# Altium PCB PCB_3U_DAC.PCBDOC (part 8 of 9)
Units mm, origin at the board's own origin, x right, y up, seen from the top; angles counter-clockwise.
Board outline 186.91 x 200.1 mm, 4 copper layers (TopLayer, Internal Plane 2, Signal Layer 1, BottomLayer), stack 1.563 mm thick; 822 components, 563 nets, 2611 pads, 820 vias.
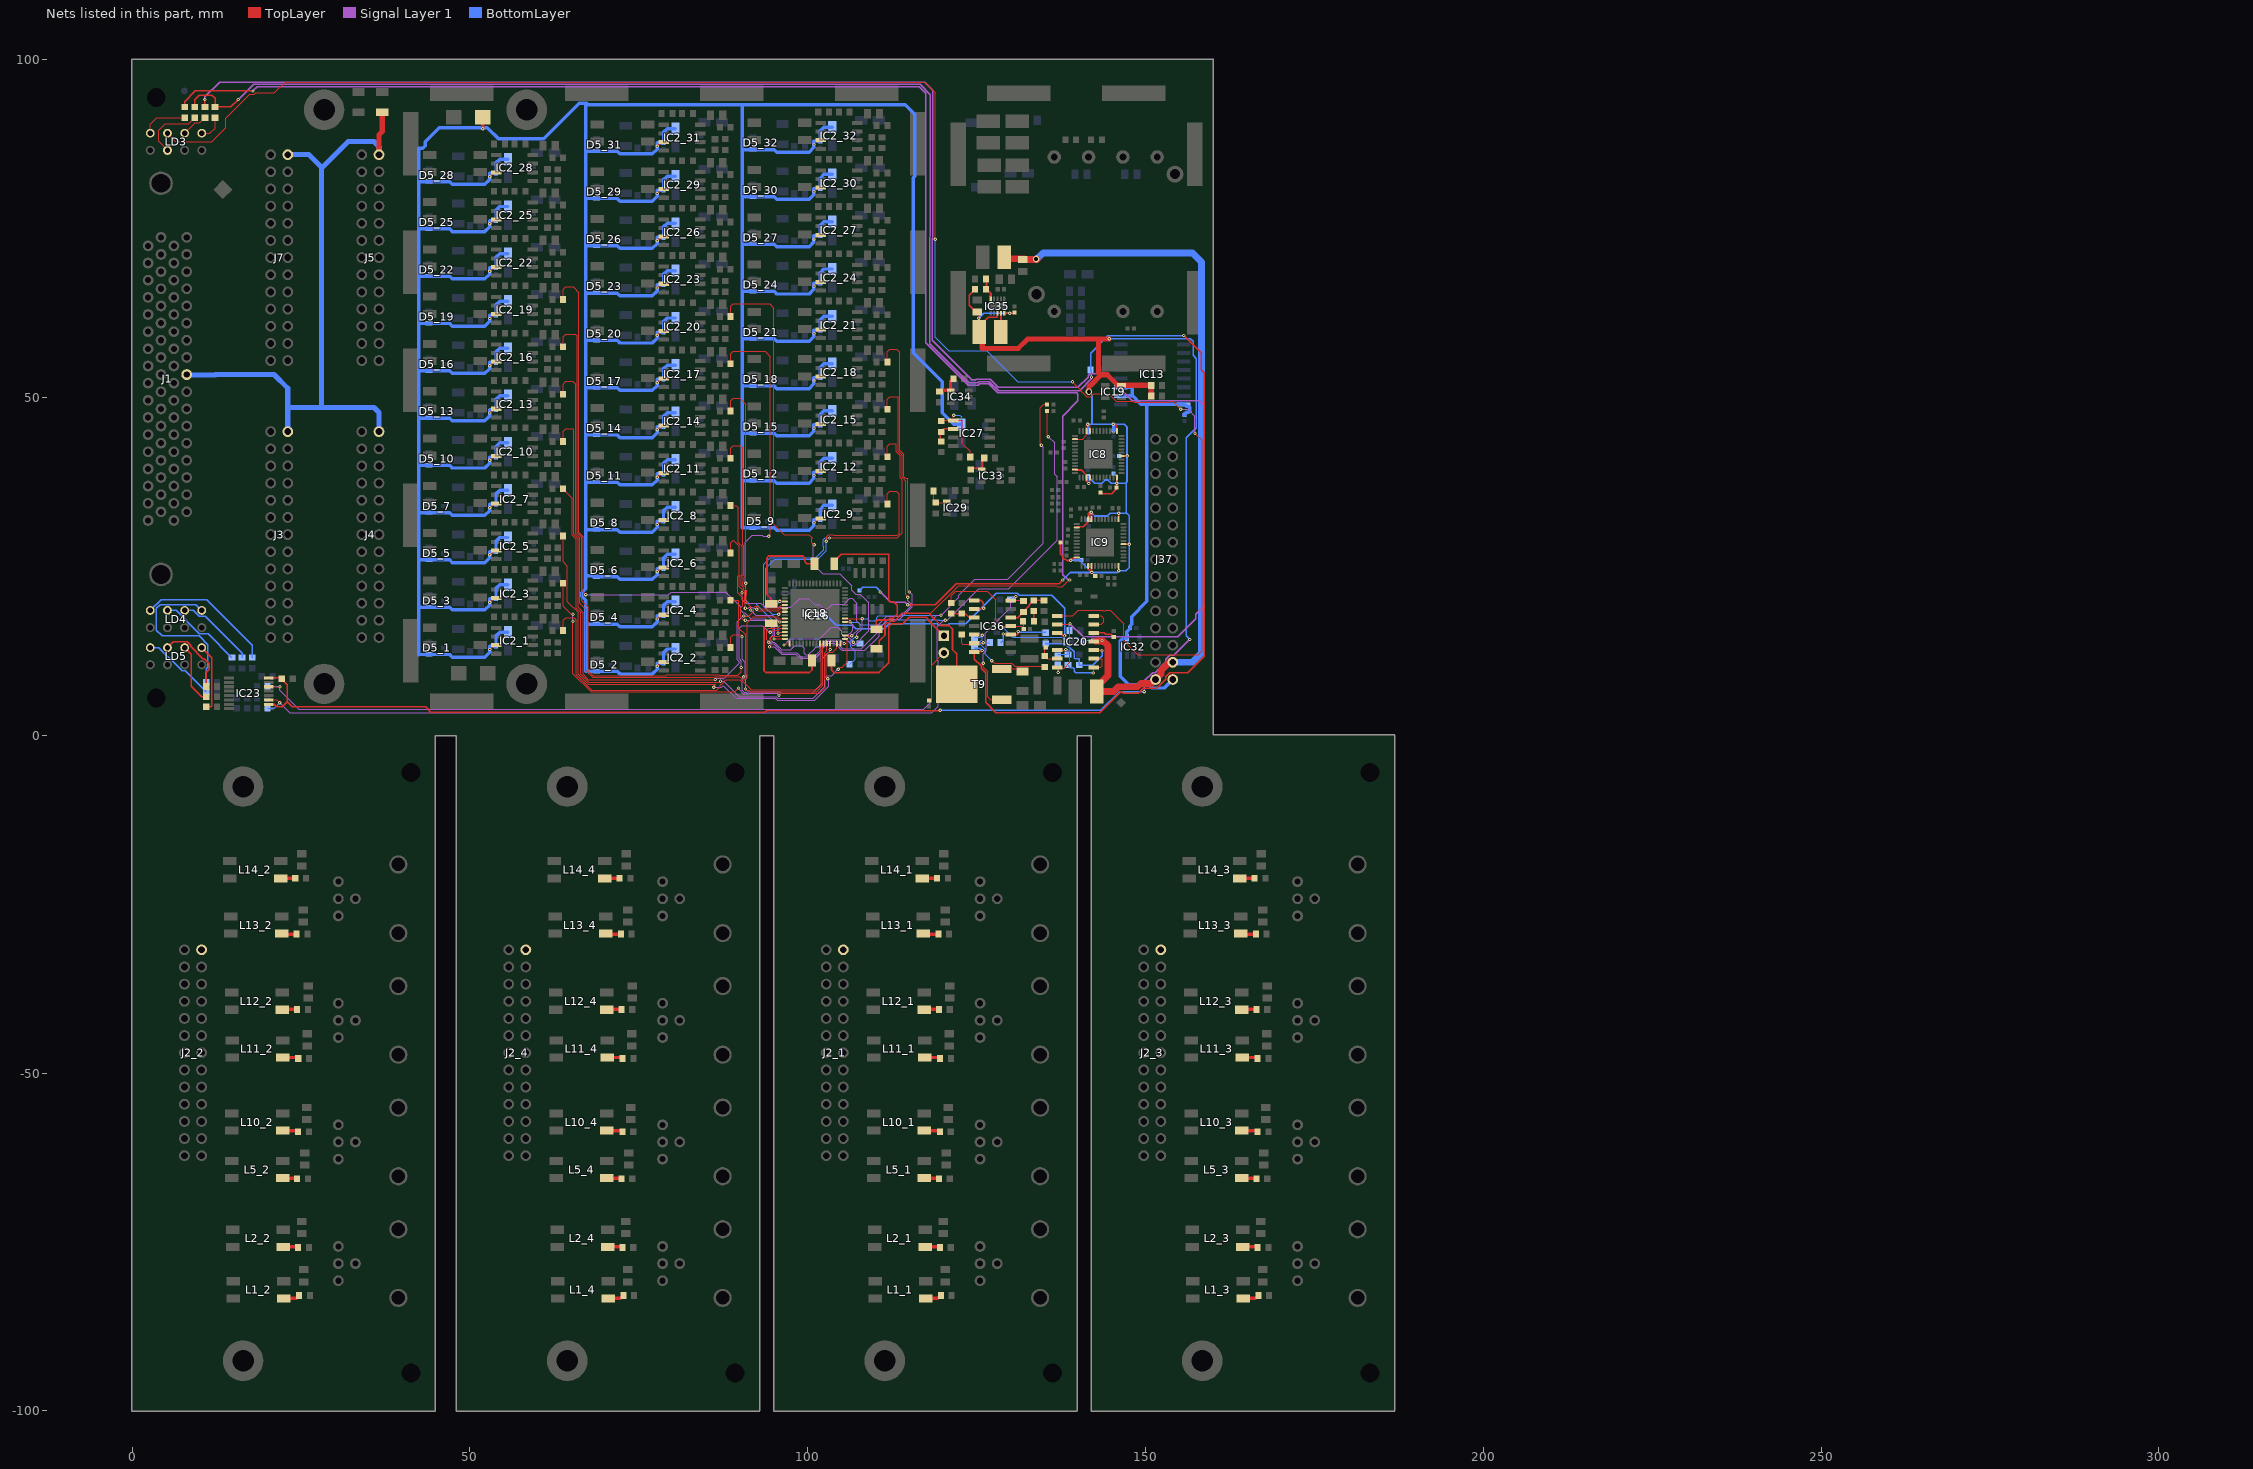
[diagram p10: the nets of this part, all layers, seen from the top]

## Via types
v1: diameter 0.5, hole 0.2, TopLayer to BottomLayer, tented both sides, 685 vias
v2: diameter 0.6, hole 0.3, TopLayer to BottomLayer, tented both sides, 105 vias
v3: diameter 1, hole 0.5, TopLayer to BottomLayer, tented both sides, 21 vias
v4: diameter 1, hole 0.6, TopLayer to BottomLayer, tented both sides, 9 vias

## Nets (pads, with @x,y where several pads share a name; then routed paths per layer and width w, separated by ;. In a path a pad name is that pad's centre, name@x,y a point inside that pad or via, vN(x,y) a via of type N, cw(c..) or ccw(c..) an arc to the next point about the centre after c; other vN are vias at no path point) (continued)
NetIC20_1: IC20.1 IC20.2 R84.2 | length 8.8
  TopLayer w0.152: v1(142.24,9.222) 142.335,9.317 IC20.1@142.335,10.062 143.343,10.062 143.563,10.281 143.563,11.281 143.512,11.332 IC20.2@142.335,11.332
  BottomLayer w0.203: R84.2@138.528,10.373 138.876,10.025 139.238,10.025 139.416,9.846 139.416,9.484 139.679,9.222 v1(142.24,9.222)
NetIC20_3: IC20.3 R5.2 R76.1 | length 13.6
  TopLayer w0.203: IC20.3@142.335,12.602 143.492,12.602 v1(143.563,12.531)
  BottomLayer w0.203: R5.2@135.36,13.569 137.741,13.569 137.948,13.362 138.345,13.362 138.445,13.462 ; 138.446,13.461 138.446,13.246 138.58,13.112 138.662,13.112 139.45,12.324 139.45,11.429 139.584,11.295 140.179,11.295 R76.1@140.179,10.373 142.199,10.373 143.563,11.737 v1(143.563,12.531)
  BottomLayer w0.254: R5.2@135.226,13.569 R5.2@135.36,13.569
NetIC20_5: IC20.5 R10.1 | length 3.2
  TopLayer w0.203: IC20.5@142.335,15.142 143.91,15.142 144.09,14.962 144.842,14.962 R10.1@145.288,14.516
NetIC20_6: IC20.6 IC20.7 | length 3.8
  TopLayer w0.152: IC20.6@142.335,16.412 143.443,16.412 143.813,16.781 143.813,17.281 143.412,17.682 IC20.7@142.335,17.682
NetIC20_8: IC20.8 LD3.4 | length 260.8
  TopLayer w0.152: LD3.4@5.218,89.126 6.463,87.881 11.782,87.881 13.814,89.913 13.814,91.31 17.424,94.921 18.065,94.921 18.264,95.12 21.053,95.12 22.63,96.698 117.302,96.698 118.872,95.128 v1(118.872,73.406) ; IC20.8@136.935,17.682 139.213,17.682 140.063,18.531 143.61,18.531 143.674,18.467 144.049,18.467 144.113,18.531 144.759,18.531 146.783,16.507 146.783,13.967 148.815,11.935 157.806,11.935 158.365,12.494 158.365,43.655 v1(157.316,44.704) ; v1(139.192,52.324) 139.192,52.27 141.317,50.145 141.9,50.145 142.312,50.557 144.641,50.557 144.903,50.295 144.903,50.2 145.696,49.407 147.673,49.407 147.738,49.472 148.113,49.472 148.317,49.268 153.531,49.268 153.67,49.407 154.047,49.407 v1(155.194,48.26)
  Signal Layer 1 w0.152: v1(155.194,48.26) 156.3,48.26 157.316,47.244 v1(157.316,44.704)
  BottomLayer w0.152: v1(118.872,73.406) 118.872,58.928 120.904,56.896 126.492,56.896 131.064,52.324 v1(139.192,52.324)
NetIC20_9: IC20.9 IC20.14 R81.2 R83.1 R87.2 | length 259
  TopLayer w0.152: IC20.9@136.935,16.412 138.693,16.412 v1(138.813,16.531) 138.813,10.781 137.966,9.934 137.062,9.934 v1(137.062,9.281)
  TopLayer w0.203: R83.1@10.763,93.006 10.763,94.101 v1(10.766,94.104)
  Signal Layer 1 w0.203: v1(10.766,94.104) 10.766,94.485 12.953,96.672 117.328,96.672 118.5,95.5 118.5,73.711 118.393,73.604 118.393,58.471 124.256,52.609 124.859,52.609 124.945,52.694 127.038,52.694 128.232,51.5 140,51.5 141.521,53.021 141.521,53.198 141.823,53.5 144,53.5 148,49.5 157.951,49.5 158.67,48.781 158.67,19.123 157.451,17.904 157.451,17.261 154.741,14.551 140.792,14.551 v1(138.813,16.531)
  BottomLayer w0.152: R87.2@137.004,10.373 137.062,10.314 v1(137.062,9.281) ; R81.2@138.744,15.491 138.744,16.462 v1(138.813,16.531)
NetIC20_12: IC20.12 R84.1 R87.1 | length 3.8
  TopLayer w0.152: IC20.12@136.935,12.602 138.078,12.602 v1(138.176,12.7)
  BottomLayer w0.152: R87.1@137.004,11.973 R84.1@138.528,11.973 138.528,12.566 138.394,12.7 v1(138.176,12.7)
NetIC20_13: IC20.13 R72.1 R77.2 | length 3.3
  TopLayer w0.127: R72.1@135.226,12.989 135.099,12.862 R77.2@135.099,11.719 135.486,11.332 IC20.13@136.935,11.332
NetIC27_2: IC27.2 R150.1 R153.2 | length 3.6
  TopLayer w0.2: R153.2@119.732,43.431 119.605,43.558 119.605,44.828 120.118,45.341 IC27.2@121.563,45.341
NetIC29_4: IC29.4 R156.1 R158.2 | length 3.6
  TopLayer w0.127: R158.2@118.638,36.171 118.638,34.742 R156.1@118.933,34.447 120.433,34.447 IC29.4@120.583,34.597
NetIC33_4: IC33.4 R159.1 R161.2 | length 3.3
  TopLayer w0.2: R159.1@124.177,39.494 125.828,39.494 125.828,40.751 R161.2@126.127,41.051
NetIC34_4: IC34.4 R69.1 R70.2 | length 3.2
  TopLayer w0.508: R69.1@119.732,51.051 121.002,51.051 121.129,51.178 121.129,52.339 R70.2@121.568,52.778
NetIC35_5: IC35.5 R162.1 R164.2 | length 3
  TopLayer w0.305: R164.2@126.463,67.307 126.463,66.037 127.087,65.412 IC35.5@127.087,64.581
NetIC35_9: IC35.9 L16.1 | length 1.9
  TopLayer w0.33: IC35.9@128.588,62.481 128.588,60.61 L16.1@128.622,60.576
NetIC36_3: IC36.3 R5.1 R9.2 | length 8
  TopLayer w0.203: v1(128.93,14.986) IC36.3@129.982,14.986 ; IC36.3@130.08,14.888 130.939,14.888 131.162,15.11 v1(131.162,15.364)
  BottomLayer w0.203: R9.2@128.562,13.716 128.562,13.727 128.93,14.095 v1(128.93,14.986) ; v1(131.162,15.364) 131.259,15.267 R5.1@135.255,15.267
NetIC36_5: IC36.5 R55.2 R62.2 R65.1 | length 6.1
  TopLayer w0.203: IC36.5@130.08,17.428 131.104,17.428 R62.2@131.924,18.247 132.813,19.136 132.813,19.339 R55.2@133.448,19.974 R65.1@134.972,19.974
NetIC36_7: IC36.7 R54.1 R62.1 T9.1 | length 22.7
  TopLayer w0.127: v1(125.955,10.665) 125.955,10.062 126.628,9.389 126.628,5.718 127.098,5.248 T9.1@128.699,5.248 ; v1(130.812,20.531) 130.813,20.281 130.499,19.968 131.803,19.968 R62.1@131.924,19.847
  Signal Layer 1 w0.127: v1(125.955,10.665) 125.955,12.064 126.424,12.534 126.424,13.898 126.253,14.07 126.253,15.132 130.083,18.962 130.083,19.802 v1(130.812,20.531)
  BottomLayer w0.127: R54.1@130.019,20.101 130.449,20.531 v1(130.812,20.531)
NetIC36_10: IC36.10 R165.1 R168.2 | length 3.7
  TopLayer w0.254: R165.1@121.256,17.993 R168.2@122.78,17.993 123.351,17.993 123.916,17.428 IC36.10@124.68,17.428
NetIC36_12: IC36.12 R77.1 R78.1 | length 15.3
  TopLayer w0.127: IC36.12@124.68,14.888 125.706,14.888 v1(125.813,14.781) ; v1(127.225,11.046) 127.647,10.624 130.203,10.624 130.613,10.214 135.099,10.214 R77.1@135.099,10.119
  BottomLayer w0.127: R78.1@124.685,14.513 125.545,14.513 v1(125.813,14.781) 125.813,14.167 125.544,13.898 125.544,13.437 126.253,12.728 126.253,12.018 v1(127.225,11.046)
NetIC36_13: IC36.13 R9.1 R85.2 | length 5.6
  TopLayer w0.127: R85.2@122.78,14.945 122.78,13.624 122.907,13.497 124.559,13.497 IC36.13@124.68,13.618 125.886,13.618 v1(125.984,13.716)
  BottomLayer w0.127: v1(125.984,13.716) R9.1@126.962,13.716
NetIC36_14: IC36.14 R71.2 R75.1 R78.2 R79.1 | length 293.3
  TopLayer w0.203: R79.1@9.263,93.006 9.263,94.048 9.957,94.742 11.811,94.742 12.263,94.29 R75.1@12.263,93.006 14.621,93.006 v1(15.719,94.104) ; v1(125.813,12.545) 125.615,12.348 IC36.14@124.68,12.348 124.68,11.263 125.662,10.28 125.662,9.941 126.336,9.268 126.336,4.877 127.86,3.353 143.194,3.353 146.307,6.466 146.496,6.466 146.722,6.24 148.928,6.24 149.632,6.945 151.641,6.945 153.004,8.308 153.004,8.677 153.607,9.28 156.26,9.28 158.67,11.69 158.67,53.642 158.213,54.099 158.213,56.639 v1(155.673,59.179)
  Signal Layer 1 w0.203: v1(15.719,94.104) 17.957,96.342 116.658,96.342 118.17,94.83 118.17,73.848 118.063,73.741 118.063,57.97 123.863,52.17 125.137,52.17 125.331,52.364 126.901,52.364 128.265,51 140.263,51 142,52.736 v1(142,53)
  BottomLayer w0.203: R78.2@124.685,12.913 125.445,12.913 v1(125.813,12.545) ; v1(142,53) 142,53.921 R71.2@141.859,54.061 141.859,56.584 144.425,59.15 155.673,59.15 v1(155.673,59.179)
NetL1_1_1: L1_1.1 R15_1.2 | length 2.4
  TopLayer w0.508: L1_1.1@117.468,-83.363 119.268,-83.363 R15_1.2@119.7,-82.931
NetL1_2_1: L1_2.1 R15_2.2 | length 2.4
  TopLayer w0.508: L1_2.1@22.468,-83.363 24.268,-83.363 R15_2.2@24.7,-82.931
NetL1_3_1: L1_3.1 R15_3.2 | length 2.4
  TopLayer w0.508: L1_3.1@164.468,-83.363 166.268,-83.363 R15_3.2@166.7,-82.931
NetL1_4_1: L1_4.1 R15_4.2 | length 2.4
  TopLayer w0.508: L1_4.1@70.468,-83.363 72.268,-83.363 R15_4.2@72.7,-82.931
NetL2_1_1: L2_1.1 R26_1.2 | length 2.2
  TopLayer w0.508: L2_1.1@117.392,-75.743 119.497,-75.743 R26_1.2@119.573,-75.819
NetL2_2_1: L2_2.1 R26_2.2 | length 2.2
  TopLayer w0.508: L2_2.1@22.392,-75.743 24.497,-75.743 R26_2.2@24.573,-75.819
NetL2_3_1: L2_3.1 R26_3.2 | length 2.2
  TopLayer w0.508: L2_3.1@164.392,-75.743 166.497,-75.743 R26_3.2@166.573,-75.819
NetL2_4_1: L2_4.1 R26_4.2 | length 2.2
  TopLayer w0.508: L2_4.1@70.392,-75.743 72.497,-75.743 R26_4.2@72.573,-75.819
NetL5_1_1: L5_1.1 R27_1.2 | length 2.2
  TopLayer w0.508: L5_1.1@117.265,-65.557 119.344,-65.557 R27_1.2@119.42,-65.634
NetL5_2_1: L5_2.1 R27_2.2 | length 2.2
  TopLayer w0.508: L5_2.1@22.265,-65.557 24.344,-65.557 R27_2.2@24.42,-65.634
NetL5_3_1: L5_3.1 R27_3.2 | length 2.2
  TopLayer w0.508: L5_3.1@164.265,-65.557 166.344,-65.557 R27_3.2@166.42,-65.634
NetL5_4_1: L5_4.1 R27_4.2 | length 2.2
  TopLayer w0.508: L5_4.1@70.265,-65.558 72.344,-65.558 R27_4.2@72.42,-65.634
NetL10_1_1: L10_1.1 R28_1.2 | length 2.4
  TopLayer w0.508: L10_1.1@117.265,-58.522 119.395,-58.522 R28_1.2@119.573,-58.699
NetL10_2_1: L10_2.1 R28_2.2 | length 2.4
  TopLayer w0.508: L10_2.1@22.265,-58.522 24.395,-58.522 R28_2.2@24.573,-58.699
NetL10_3_1: L10_3.1 R28_3.2 | length 2.4
  TopLayer w0.508: L10_3.1@164.265,-58.522 166.395,-58.522 R28_3.2@166.573,-58.699
NetL10_4_1: L10_4.1 R28_4.2 | length 2.4
  TopLayer w0.508: L10_4.1@70.265,-58.522 72.395,-58.522 R28_4.2@72.573,-58.7
NetL11_1_1: L11_1.1 R29_1.2 | length 2.3
  TopLayer w0.508: L11_1.1@117.296,-47.705 119.426,-47.705 R29_1.2@119.578,-47.858
NetL11_2_1: L11_2.1 R29_2.2 | length 2.3
  TopLayer w0.508: L11_2.1@22.296,-47.705 24.426,-47.705 R29_2.2@24.578,-47.858
NetL11_3_1: L11_3.1 R29_3.2 | length 2.3
  TopLayer w0.508: L11_3.1@164.296,-47.705 166.426,-47.705 R29_3.2@166.578,-47.858
NetL11_4_1: L11_4.1 R29_4.2 | length 2.3
  TopLayer w0.508: L11_4.1@70.296,-47.705 72.426,-47.705 R29_4.2@72.578,-47.858
NetL12_1_1: L12_1.1 R30_1.2 | length 2.2
  TopLayer w0.508: L12_1.1@117.214,-40.635 117.265,-40.584 R30_1.2@119.42,-40.584
NetL12_2_1: L12_2.1 R30_2.2 | length 2.2
  TopLayer w0.508: L12_2.1@22.214,-40.635 22.265,-40.584 R30_2.2@24.42,-40.584
NetL12_3_1: L12_3.1 R30_3.2 | length 2.2
  TopLayer w0.508: L12_3.1@164.214,-40.635 164.265,-40.584 R30_3.2@166.42,-40.584
NetL12_4_1: L12_4.1 R30_4.2 | length 2.2
  TopLayer w0.508: L12_4.1@70.214,-40.635 70.265,-40.585 R30_4.2@72.42,-40.585
NetL13_1_1: L13_1.1 R31_1.2 | length 2.3
  TopLayer w0.508: L13_1.1@117.102,-29.361 117.178,-29.437 R31_1.2@119.334,-29.437
NetL13_2_1: L13_2.1 R31_2.2 | length 2.3
  TopLayer w0.508: L13_2.1@22.102,-29.361 22.178,-29.437 R31_2.2@24.334,-29.437
NetL13_3_1: L13_3.1 R31_3.2 | length 2.3
  TopLayer w0.508: L13_3.1@164.102,-29.361 164.178,-29.437 R31_3.2@166.334,-29.437
NetL13_4_1: L13_4.1 R31_4.2 | length 2.3
  TopLayer w0.508: L13_4.1@70.102,-29.361 70.178,-29.437 R31_4.2@72.334,-29.437
NetL14_1_1: L14_1.1 R32_1.2 | length 2.2
  TopLayer w0.508: L14_1.1@116.975,-21.182 R32_1.2@119.13,-21.182
NetL14_2_1: L14_2.1 R32_2.2 | length 2.2
  TopLayer w0.508: L14_2.1@21.975,-21.182 R32_2.2@24.13,-21.182
NetL14_3_1: L14_3.1 R32_3.2 | length 2.2
  TopLayer w0.508: L14_3.1@163.975,-21.182 R32_3.2@166.13,-21.182
NetL14_4_1: L14_4.1 R32_4.2 | length 2.2
  TopLayer w0.508: L14_4.1@69.975,-21.182 R32_4.2@72.13,-21.182
NetLD3_2: LD3.2 R74.1 | length 6.8
  TopLayer w0.152: LD3.2@2.678,89.126 2.678,90.461 3.623,91.406 R74.1@7.763,91.406
NetLD3_3: LD3.3 R79.2 | length 9.6
  TopLayer w0.152: LD3.3@5.218,86.586 3.908,87.896 3.908,89.532 4.872,90.496 8.353,90.496 R79.2@9.263,91.406
NetLD3_6: LD3.6 R83.2 | length 3.9
  TopLayer w0.152: LD3.6@7.758,89.126 9.306,90.675 10.032,90.675 R83.2@10.763,91.406
NetLD3_8: LD3.8 R75.2 | length 3.8
  TopLayer w0.152: LD3.8@10.298,89.126 11.503,89.126 12.263,89.886 R75.2@12.263,91.406
NetLD4_2: LD4.2 R113.2 | length 20.3
  BottomLayer w0.203: LD4.2@2.678,18.476 4.264,20.063 11.02,20.063 17.763,13.32 R113.2@17.763,11.506
NetLD4_4: LD4.4 R114.2 | length 12.4
  BottomLayer w0.203: LD4.4@5.218,18.476 6.495,18.476 9.394,15.578 9.394,15.562 9.923,15.033 11.236,15.033 R114.2@14.763,11.506
NetLD4_6: LD4.6 R115.2 | length 11.8
  BottomLayer w0.203: LD4.6@7.758,18.476 9.055,18.476 9.934,17.598 10.818,17.598 16.263,12.153 R115.2@16.263,11.506
NetLD4_8: LD4.8 R119.2 | length 24.7
  BottomLayer w0.203: LD4.8@10.298,18.476 9.419,19.355 4.162,19.355 3.581,18.774 3.581,15.564 4.442,14.702 9.903,14.702 11.201,13.405 11.201,10.062 10.963,9.823 R119.2@10.963,7.856
NetLD5_2: LD5.2 R120.2 | length 11
  BottomLayer w0.203: LD5.2@2.678,12.976 3.955,12.976 6.854,10.078 6.854,10.062 7.383,9.533 7.886,9.533 R120.2@10.963,6.456
NetLD5_4: LD5.4 R121.2 | length 11.6
  TopLayer w0.203: LD5.4@5.218,12.976 6.096,13.855 8.121,13.855 8.636,13.34 8.636,13.176 10.472,11.34 10.672,11.34 11.401,10.611 11.401,9.776 10.963,9.338 R121.2@10.963,7.206
NetLD5_6: LD5.6 R122.2 | length 9
  TopLayer w0.203: LD5.6@7.758,12.976 8.734,12 8.734,7.236 10.264,5.706 R122.2@10.963,5.706
NetLD5_8: LD5.8 R123.2 | length 10.1
  TopLayer w0.203: LD5.8@10.298,12.976 11.782,11.492 11.782,4.315 11.673,4.206 R123.2@10.963,4.206
NetR55_1: R55.1 R169.2 | length 1.5
  TopLayer w0.203: R55.1@133.448,18.374 133.448,16.926 R169.2@133.486,16.888
NetR60_1: R60.1 R63.2 | length 23.3
  TopLayer w0.254: R63.2@103.91,25.397 103.91,25.707 104.98,26.777 111.966,26.777 111.993,26.75 111.993,19.926 112.165,19.754 112.753,19.754 113.251,19.256 113.251,18.838 ; R60.1@110.152,15.7 110.152,16.902 110.297,17.047 111.868,17.047 112.097,17.276 112.614,17.276 113.251,17.912 113.251,18.367 ; 113.25,18.367 113.25,18.838
NetR60_2: R60.2 R74.2 T9.3 | length 250.9
  TopLayer w0.127: 118.081,17.904 122.331,22.155 136.805,22.155 136.991,21.968 137.639,21.968 v1@138.709,23.039
  TopLayer w0.203: R74.2@7.763,93.006 7.763,93.768 9.369,95.374 v1(17.878,95.374)
  TopLayer w0.254: R60.2@110.588,12.771 110.588,13.967 111.437,14.817 111.437,16.363 111.74,16.666 112.026,16.666 112.254,16.895 112.837,16.895 113.986,18.044 117.941,18.044 118.081,17.904 119.729,16.256 120.913,16.256 121.412,15.757 121.412,12.7 122.049,12.063 T9.3@122.049,7.528 T9.3@121.728,7.528
  Signal Layer 1 w0.203: v1(17.878,95.374) 18.515,96.012 116.488,96.012 117.5,95 117.5,58.066 123.726,51.84 125.274,51.84 125.468,52.034 126.764,52.034 128.128,50.67 139.83,50.67 140,50.5 140,49.484 137.766,47.25 137.766,23.746 138.528,22.984 v1(138.764,22.984)
NetR63_1: R63.1 R66.2 | length 15.2
  TopLayer w0.127: R66.2@94.406,19.481 R66.2@94.586,19.481
  TopLayer w0.254: R66.2@94.586,19.481 94.586,20.233 94.125,20.693 94.107,20.693 93.959,20.842 93.959,26.256 94.25,26.547 99.235,26.547 99.539,26.244 99.539,25.711 99.853,25.397 R63.1@101.01,25.397
NetR66_1: R66.1 R73.2 | length 16.6
  TopLayer w0.127: R66.1@94.586,16.581 R66.1@94.763,16.581
  TopLayer w0.254: R66.1@94.586,16.581 94.155,16.581 93.527,15.953 93.527,9.565 93.806,9.285 100.25,9.285 100.629,9.664 R73.2@100.629,11.046
NetR73_1: R73.1 SW1.1 W1.1 | length 26.1
  TopLayer w0.127: 112.072,16.11 112.184,16.222
  TopLayer w0.254: R73.1@103.529,11.046 103.529,9.608 103.891,9.246 104.709,9.246 104.748,9.285 110.535,9.285 112.009,10.759 112.009,16.136 112.157,16.285 112.184,16.285 112.412,16.514 114.036,16.514 115.007,17.485 117.518,17.485 117.763,17.24 117.763,17.111 W1.1@120.142,14.732
NetR172_1: R172.1 T9.2 | length 3.2
  TopLayer w0.127: T9.2@128.699,9.808 131.437,9.808 R172.1@131.797,9.448
NetR174_2: R174.2 W1.2 | length 7.9
  TopLayer w0.152: R174.2@117.954,5.166 117.954,5.196 118.335,5.577 118.335,10.385 W1.2@120.142,12.192
P3V3: C19.2 C20.2 C21.2 C22.2 C23.2 C24.2 C69.2 C70.2 C96.2 C148.2 C149.2 IC8.2 IC8.11 IC8.15 IC8.16 IC8.24 IC8.30 IC8.37 IC8.45 IC8.46 IC9.2 IC9.11 IC9.15 IC9.16 IC9.24 IC9.30 IC9.37 IC9.45 IC9.46 IC19.4 IC23.10 IC23.16 IC35.8 IC35.10 L16.2 R6.2 R7.1 R8.1 R12.1 R18.1 R22.1 R162.2 | length 392.9
  TopLayer w0.127: IC8.2@139.556,43.83 140.713,43.83 141.256,44.373 IC8.46@141.256,45.03 141.256,45.821 v1(141.456,46.022)
  TopLayer w0.203: IC23.10@20.213,4.581 21.041,4.581 21.434,4.188 22.196,4.188 22.958,4.95 ; IC23.16@20.213,8.481 22.056,8.481 C96.2@22.158,8.379 22.158,8.29 22.958,7.49 22.958,4.95 ; v1(110.715,21.206) v1@110.749,21.206 ; v1(114.779,19.301) 118.843,19.301 121.988,22.447 137.228,22.447 v1(137.766,22.984) ; v1(119.605,3.68) 119.577,3.653 93.916,3.653 93.662,3.399 44.222,3.399 43.432,4.188 23.72,4.188 22.958,4.95 ; C149.2@124.685,62.862 123.923,63.624 123.923,65.148 124.788,66.013 R162.2@124.788,66.031 ; C149.2@125.32,62.608 125.371,62.557 L16.2@125.371,59.687 ; L16.2@126.209,61.338 126.717,61.846 127.987,61.846 128.087,61.947 IC35.8@128.087,62.481 ; IC35.10@129.13,62.481 v1(129.892,62.481) 130.487,62.481 C148.2@130.588,62.581 ; v1(141.456,46.022) 141.756,45.723 IC8.45@141.756,45.03
  TopLayer w0.254: R22.1@137.405,28.521 137.405,26.806 137.728,26.483 137.728,26.221 137.876,26.072 138.139,26.072 138.331,25.88 v1(138.942,25.88) 139.346,26.284 IC9.11@139.82,26.284 ; IC8.11@139.556,39.33 139.61,39.276 140.481,39.276 141.256,38.502 IC8.15@141.256,38.13 141.256,37.587 v1(141.583,37.259) 141.756,37.431 IC8.16@141.756,38.13 ; IC9.2@139.82,30.784 139.9,30.864 140.802,30.864 141.52,31.582 IC9.46@141.52,31.984 141.52,32.787 141.724,32.992 v1(141.99,32.992) 141.99,32.014 IC9.45@142.02,31.984 ; IC9.15@141.52,25.084 141.52,24.601 141.762,24.359 ; IC9.16@142.02,25.084 142.02,24.617 141.762,24.359 ; C24.2@142.566,23.555 v1(142.019,24.102) 141.762,24.359 ; R18.1@143.336,35.951 143.542,35.745 144.997,35.745 145.756,36.504 v1@145.756,37.31 ; v1(145.241,46.022) 145.495,46.022 145.756,45.761 IC8.37@145.756,45.03 ; v1(145.724,37.31) v1@145.756,37.31 ; IC8.24@145.756,38.13 v1@145.756,37.31 ; v1(146.02,24.339) IC9.24@146.02,25.084 ; IC9.37@146.02,31.984 146.02,32.856 v1(146.028,32.865) ; IC8.30@146.456,41.33 v1@147.255,41.33 ; IC9.30@146.72,28.284 147.569,28.284 v1(147.578,28.293)
  TopLayer w0.762: L16.2@125.371,59.357 125.066,59.052 125.828,58.29 125.828,57.274 131.162,57.274 132.559,58.671 143.1,58.671 ; v4(141.609,50.848) 141.609,51.63 141.832,51.853 141.925,51.853 143.352,53.28 143.352,53.373 ; v1(144.624,58.671) 143.1,58.671 ; R12.1@150.847,51.813 150.844,51.811 IC19.4@146.45,51.811 145.896,51.811 144.334,53.373 143.352,53.373 ; R12.1@150.851,51.775 150.851,50.285 R8.1@150.974,50.162 ; 143.1,58.671 143.055,58.626 143.055,53.671 143.352,53.373
  Signal Layer 1 w0.203: v1@110.749,21.206 112.175,19.78 112.31,19.78 112.407,19.682 114.398,19.682 v1(114.779,19.301) ; v1(149.831,6.466) 149.831,8.044 151.067,9.28 151.436,9.28 153.004,10.848 153.004,11.217 153.607,11.82 154.195,11.82 v1(156.558,14.183)
  BottomLayer w0.203: R7.1@107.667,21.422 108.175,21.93 110.118,21.93 110.715,21.333 v1(110.715,21.206) ; v1(119.605,3.68) 143.394,3.68 146.18,6.466 v1(149.831,6.466) ; v1(125.32,61.719) 126.082,62.481 v1(129.892,62.481) ; v1(144.624,58.671) 156.652,58.671 157.036,58.287 157.036,56.25 157.543,55.743 157.543,45.543 157.183,45.183 157.118,45.183 156,44.065 156,14.741 v1(156.558,14.183)
  BottomLayer w0.254: v1(137.766,22.984) 138.883,24.102 v1(142.019,24.102) ; v1(138.942,25.88) 138.993,25.931 C69.2@140.524,25.931 140.524,25.597 v1(142.019,24.102) ; v1(141.456,46.022) 142.117,46.022 ; C70.2@141.583,31.867 141.583,32.585 v1(141.99,32.992) 142.519,32.462 144.358,32.462 144.76,32.865 v1(146.028,32.865) 147.239,32.865 ; v1(141.583,37.259) 141.456,37.386 C22.2@141.456,38.333 142.48,37.31 143.538,37.31 144.016,37.788 144.434,37.788 144.912,37.31 v1(145.724,37.31) ; v4(141.609,50.848) 142.09,50.367 142.09,46.049 142.117,46.022 ; C20.2@145.266,38.765 145.724,38.308 v1(145.724,37.31) ; C19.2@146.123,41.323 147.248,41.323 v1(147.273,41.348) ; v1(142.019,24.102) 145.783,24.102 v1(146.02,24.339) 147.078,24.339 147.578,24.838 v1(147.578,28.293) 147.578,32.526 147.239,32.865 ; 142.117,46.022 v1(145.241,46.022) 146.864,46.022 147.273,45.613 v1(147.273,41.348) ; v1(145.724,37.31) 147.035,37.31 147.156,37.43 ; 147.156,37.43 147.273,37.548 v1(147.273,41.348) ; 147.156,37.43 147.156,32.948 147.239,32.865
  BottomLayer w0.508: v1(141.456,46.022) 141.558,45.92 C23.2@141.558,44.796 ; v1(145.241,46.022) 145.266,45.997 C21.2@145.266,45.126
P3V3_MP: C37.2 C38.2 IC13.2 IC13.3 IC13.16 IC32.4 J37.30 | length 66.7
  BottomLayer w0.508: IC13.2@146.315,50.251 148.091,50.251 149.323,49.019 150.143,49.019 ; IC13.3@146.315,51.521 147.837,51.521 148.053,51.305 148.053,50.289 ; C38.2@147.672,15.745 147.247,15.32 147.247,14.365 146.673,14.365 146.275,13.967 146.275,8.725 147.5,7.5 150.5,7.5 151,7 152.781,7 J37.30@154.033,8.251 ; C38.2@147.721,15.859 147.721,16.215 147.929,16.424 147.929,17.57 150.185,19.825 150.185,48.978 150.143,49.019 ; IC13.16@155.419,49.019 150.143,49.019 ; C37.2@155.74,47.348 155.74,47.629 155.963,47.629 156.077,47.743 156.017,47.803 156.399,47.803 156.552,47.956 156.552,48.564 156.399,48.717 156.017,48.717 156.077,48.777 155.963,48.891 155.74,48.891 IC13.16@155.74,48.981